# Altium PCB DCDCv1.1.PcbDoc (part 4 of 5)
Units mm, origin at the board's own origin, x right, y up, seen from the top; angles counter-clockwise.
Board outline 127.68 x 67.28 mm, 4 copper layers (Top Layer, GND1, GND2, Bottom Layer), stack 0.604 mm thick; 389 components, 257 nets, 1185 pads, 626 vias.
Unrouted connection lines stored in the file: 1.
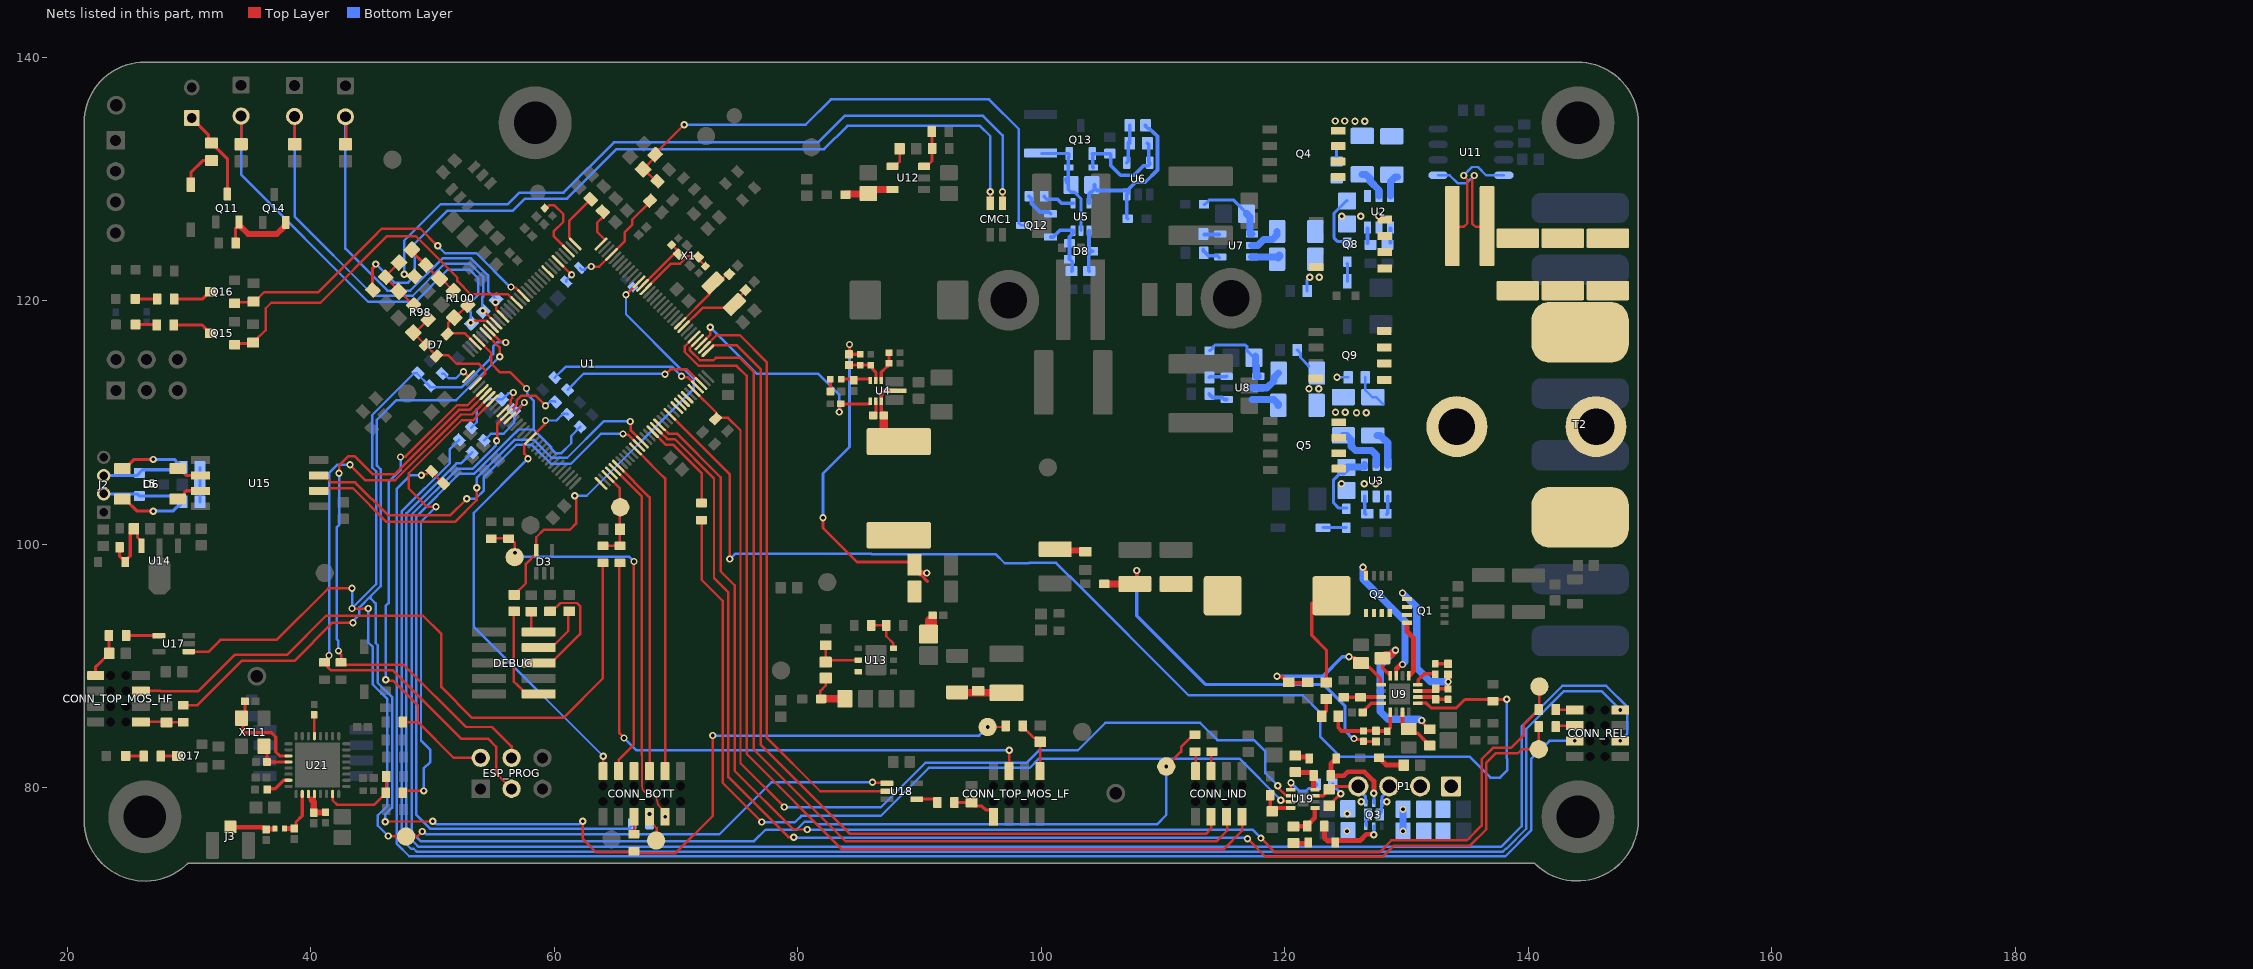
[diagram p6: the nets of this part, all layers, seen from the top]

## Via types
v1: diameter 0.6, hole 0.3, Top Layer to Bottom Layer, tented both sides, 563 vias
v2: diameter 0.6/0.6/0.6/0.6 (per signal layer), hole 0.3, Top Layer to Bottom Layer, tented both sides, 44 vias
v3: diameter 0.6, hole 0.3, Top Layer to Bottom Layer, 19 vias

## Nets (pads, with @x,y where several pads share a name; then routed paths per layer and width w, separated by ;. In a path a pad name is that pad's centre, name@x,y a point inside that pad or via, vN(x,y) a via of type N, cw(c..) or ccw(c..) an arc to the next point about the centre after c; other vN are vias at no path point) (continued)
NetC4_1: C4.1 C6.1 C7.1 R45.2 U11.1 | length 8.9
  Top Layer w0.203: v1(135.575,130.3) 135.575,130.193 135.4,130.018 135.4,126.375 135.7,126.075 136.55,126.075 R45.2@136.625,126.15
  Bottom Layer w0.203: U11.1@132.6,130.32 133.555,130.32 134.2,129.675 134.95,129.675 v1(135.575,130.3)
NetC4_2: C4.2 C6.2 C7.2 T2.3
NetC8_2: C8.2 C15.2 C34.2 C129.2 FB6.1 L3.2 R48.2 | length 30.4
  Top Layer w0.254: v1(82.075,102.2) 82.075,101.35 84.875,98.55 89.127,98.55 89.551,98.126 89.551,98.074 89.999,97.626 89.999,97.526 90.023,97.502 90.123,97.502 90.65,96.975 ; C34.2@84.219,115.619 R48.2@85.134,115.619 ; C34.2@84.25,115.767 84.249,115.768 84.249,116.424 v1(84.25,116.425) ; C15.2@89.575,98.098 C15.2@89.575,98.275 ; C15.2@89.653,98.227 90.104,97.776 90.25,97.776 ; 90.25,97.65 v1(90.6,97.65)
  Top Layer w1: FB6.1@90.947,92.6 90.947,93.712
  Bottom Layer w0.254: v1(82.075,102.2) 82.075,105.825 84.25,108 v1(84.25,116.425)
NetC12_1: C12.1 C13.1 C42.2 C46.1 C64.1 FB9.1 Q3.6 Q3.7 | length 5.4
  Top Layer w0.4: FB9.1@127.75,82.475 127.825,82.475 127.975,82.325 127.975,82.25 128.339,81.886 C42.2@129.689,81.886 ; C42.2@129.7,81.85 C42.2@129.925,81.625
  Bottom Layer w0.254: Q3.6@126.675,76.93 126.698,76.953 126.698,77.738 Q3.7@126.835,77.875
  Bottom Layer w0.6: v1(129.725,76.45) v1(129.725,78.25)
  other v1: 125.125,76.45 125.15,77.875
NetC14_1: C14.1 R5.1 R6.1 R65.2 U9.13 | length 6.6
  Top Layer w0.3: R6.1@124.4,85.875 124.4,84.95 124.675,84.675 R5.1@126.475,84.675 ; R5.1@126.6,84.683 127.493,84.683 C14.1@127.5,84.69 127.515,84.675 128.431,84.675 128.431,84.656 R65.2@128.425,84.65 128.425,84.675 128.681,84.931 U9.13@128.681,86.209
NetC14_2: C14.2 C55.2 C56.2 FB2.1 L2.2 R5.2 | length 32.5
  Top Layer w0.254: C55.2@107.7,96.75 107.85,96.9 v1(107.85,97.85) ; v1(125.7,84.047) 125.766,83.981 126.327,83.981 126.475,83.833 R5.2@126.475,83.825 126.483,83.817 127.492,83.817 C14.2@127.5,83.81
  Top Layer w0.6: FB2.1@105.175,96.75 C55.2@107.7,96.75
  Bottom Layer w0.254: v1(107.85,97.85) 107.85,94.14 113.49,88.5 123.175,88.5 124.969,86.706 124.969,84.684 125.606,84.047 v1(125.7,84.047)
NetC16_2: C16.2 R50.2 U4.4 | length 2.4
  Top Layer w0.254: R50.2@83.584,113.569 85.859,113.569 U4.4@85.959,113.469
NetC17_2: C17.2 R50.1 | length 1
  Top Layer w0.254: R50.1@82.684,113.569 82.689,113.564 82.689,112.574 C17.2@82.694,112.569
NetC18_1: C18.1 C97.1 R54.2 | length 3.9
  Top Layer w0.6: C97.1@93.1,87.85 93.125,87.825 96.975,87.825 C18.1@97,87.8
NetC21_1: C21.1 Q4.1 Q4.2 Q4.3 Q8.5 Q8.6 Q8.7 Q8.8 R11.1 R45.1 U2.2 U11.8 | length 9.9
  Top Layer w0.203: R45.1@133.775,126.15 133.85,126.075 134.7,126.075 135,126.375 135,129.983 134.7,130.283 v1(134.7,130.3)
  Bottom Layer w0.203: R11.1@124.275,130.05 124.375,130.05 R11.1@124.715,130.39 ; v1(134.7,130.3) 135.4,131 135.875,131 136.555,130.32 U11.8@138,130.32
  other v1: 124.7,126.95 126.25,126.95 127.725,126.975 125.775,134.75 126.575,134.75
NetC21_2: C21.2 FB16.1 U2.4 | length 4.9
  Bottom Layer w0.254: FB16.1@125.125,124.575 125.125,124.694 124.927,124.892 124.333,124.892 124.07,125.155 124.07,127.22 125.075,128.225 C21.2@125.125,128.225
NetC22_1: C22.1 L1.1 Q5.1 Q5.2 Q5.3 Q9.5 Q9.6 Q9.7 Q9.8 R12.1 U3.2 | length 0.9
  Bottom Layer w0.2: v1(124.3,113.725) R12.1@125.225,113.725
  other v1: 124.675,104.975 126.541,104.972 127.491,104.972 125.9,110.825 126.7,110.825
NetC22_2: C22.2 FB17.1 U3.4 | length 6.3
  Bottom Layer w0.254: C22.2@124.816,106.022 124.722,106.022 124.02,105.32 124.02,103.405 124.45,102.975 FB17.1@125.1,102.975
  Bottom Layer w0.6: C22.2@125.003,106.21 125.153,106.36 126.566,106.36 U3.4@126.566,106.547
  Bottom Layer w0.7: C22.2@124.816,106.022 C22.2@125.003,106.21
NetC23_2: C23.2 FB18.1 U7.4 | length 6.1
  Bottom Layer w0.254: FB18.1@113.375,127.925 113.45,127.925 113.673,128.148 113.673,128.151 113.822,128.3 115.775,128.3 116.875,127.2 C23.2@116.875,127.15
  Bottom Layer w0.6: C23.2@116.875,127.15 117.15,126.875 117.15,125.5 U7.4@117.308,125.5
NetC24_2: C24.2 FB19.1 U8.4 | length 7
  Bottom Layer w0.254: FB19.1@113.825,115.925 113.9,115.925 114.123,116.148 114.123,116.223 114.281,116.381 116.766,116.381 116.915,116.232 116.915,115.899 C24.2@117.488,115.326
  Bottom Layer w0.6: C24.2@117.613,114.651 C24.2@117.613,115.476 ; U8.4@117.663,113.951 117.663,114.626 117.663,113.801 U8.4@117.838,113.801
NetC26_1: C26.1 L3.1 U4.7 U4.9 | length 7.3
  Top Layer w0.3: 86.862,112.195 86.862,112.259 ; 86.863,112.075 86.863,112.194 ; C26.1@86.87,110.798 86.87,111.05 86.87,111.45
  Top Layer w0.39: 86.862,112.259 86.862,112.413 87.068,112.619 U4.9@88.073,112.619
  Top Layer w0.7: C26.1@87.074,110.594 87.075,110.15 87.075,109.2 L3.1@87.825,108.45 ; L3.1@87.1,109.175 L3.1@87.825,108.45 ; L3.1@88.325,108.45 L3.1@87.825,108.45 ; L3.1@88.875,108.45 L3.1@87.825,108.45
NetC26_2: C26.2 U4.6 | length 1.3
  Top Layer w0.254: C26.2@86.194,110.594 86.214,110.594 86.415,110.795 U4.6@86.415,111.769
NetC27_1: C27.1 FB1.2 R27.2 U5.5 U6.3 | length 14.6
  Bottom Layer w0.3: U5.5@103.925,128.025 103.925,128.774 104.101,128.95 104.15,128.95 104.375,129.175 104.375,129.525 104.375,129.3 104.6,129.075 U6.3@107.076,129.075 ; 107.025,127.975 107.025,127.775 ; FB1.2@107.1,126.75 107.025,126.825 107.025,127.775 ; R27.2@108.575,134.425 108.575,134.375 108.8,134.15 108.924,134.15 109.271,133.803 109.553,133.521 109.553,130.758 108.545,129.75 107.755,129.75 107.175,129.17 107.175,128.9 U6.3@107.025,128.75 107.025,128.05 107.038,128.037 107.038,127.788 107.025,127.775
NetC27_2: C27.2 C30.2 D9.1 Q13.2 U5.2 | length 9.8
  Bottom Layer w0.254: C30.2@100.03,132.1 Q13.2@102.3,132.1 102.3,132.025 102.3,131.875 102.225,131.8 102.225,130.95 C27.2@102.225,129.525 ; C27.2@102.025,130.075 102.016,130.009 102.025,129.796 C27.2@102.225,129.525 ; U5.2@103.275,125.775 103.275,128.402 102.75,128.927 102.473,128.927 102.225,129.175 C27.2@102.225,129.525
NetC28_2: C28.2 Q12.3 R30.2 R43.2 | length 44.1
  Top Layer w0.203: R43.2@68.48,129.836 68.339,129.836 67.367,130.808 C28.2@67.296,130.808 68.286,131.798 R30.2@68.286,132.01 68.286,132.086 v1(70.675,134.475)
  Bottom Layer w0.203: v1@70.68,134.475 80.65,134.475 82.725,136.55 95.725,136.55 98.175,134.1 98.175,126.398 98.373,126.2 Q12.3@98.475,126.2
NetC34_1: C34.1 R18.2 R48.1 U4.3 | length 3.2
  Top Layer w0.254: C34.1@84.209,114.729 84.214,114.724 85.134,114.724 86.004,114.724 86.157,114.571 86.157,114.391 86.415,114.133 U4.3@86.415,113.469
NetC39_2: C39.2 R60.2 U9.8 | length 13.3
  Top Layer w0.254: v1(131.251,85.53) 131.318,85.464 131.318,85.357 131.85,84.825 R60.2@131.925,84.825
  Top Layer w0.3: C39.2@127.981,90.684 128.056,90.609 128.056,89.834 128.356,89.534 128.381,89.534 U9.8@128.606,89.309
  Top Layer w0.6: C39.2@127.981,90.684 128.256,90.959 128.761,90.959 v1(129.106,91.304)
  Bottom Layer w0.6: v1(129.106,91.304) 129.076,91.304 127.85,90.078 127.85,86.265 128.49,85.625 131.075,85.625 131.17,85.53 v1(131.251,85.53)
NetC40_2: C40.2 R60.1 U9.15 | length 4.1
  Top Layer w0.3: U9.15@129.681,86.209 129.681,85.184 130.131,84.734 C40.2@130.231,84.734 ; C40.2@130.2,84.825 130.55,84.475 130.925,84.475 131.6,83.8 131.6,83.725 131.85,83.475 R60.1@131.925,83.475
NetC41_1: C41.1 C43.1 C57.2 L2.1 Q1.1 Q1.2 Q1.3 Q2.5 Q2.6 Q2.7 Q2.8 R64.1 U9.3 | length 20.5
  Top Layer w0.254: 122.225,95.18 122.225,92.525 123.431,91.319 123.431,88.656 C57.2@123.425,88.65
  Top Layer w0.3: U9.3@130.931,87.959 132.236,87.959 132.406,88.129 C43.1@132.406,88.149 ; C43.1@132.391,88.134 R64.1@133.416,88.134 ; R64.1@133.425,88.125 C41.1@133.425,89.31
  Bottom Layer w0.6: v1(129.681,96.009) 130.85,94.84 130.85,89.85 131.975,88.725 v1(133.425,88.725)
NetC41_2: C41.2 R62.1 | length 1.6
  Top Layer w0.2: C41.2@133.419,90.184 133.219,90.384 133.231,90.384 C41.2@133.425,90.19
  Top Layer w0.3: R62.1@132.381,90.184 C41.2@133.419,90.184
NetC43_2: C43.2 R64.2 U9.2 | length 2.7
  Top Layer w0.3: U9.2@130.931,87.459 132.236,87.459 132.406,87.289 C43.2@132.406,87.269 ; C43.2@132.419,87.447 132.419,87.429 132.576,87.272 133.422,87.272 R64.2@133.425,87.275
NetC46_2: C46.2 C64.2 C86.1 C96.1 P1.1 P1.2
NetC50_2: C50.2 FB3.1 U12.5 | length 4
  Top Layer w0.6: FB3.1@83.925,128.725 83.975,128.775 85.75,128.775 C50.2@85.8,128.825 86.125,129.15 U12.5@87.775,129.15
NetC53_2: C53.2 CONN_TOP_MOS_HF.7 R32.2 | length 3.8
  Top Layer w0.254: CONN_TOP_MOS_HF.7@22.305,89.23 22.305,89.905 22.704,90.304 23.102,90.702 23.152,90.702 23.45,91 C53.2@23.45,91.05 23.425,91.075 R32.2@23.425,92.5
NetC54_2: C54.2 CONN_TOP_MOS_LF.7 R33.2 | length 3.9
  Top Layer w0.254: R33.2@92.875,78.8 C54.2@94.275,78.8 94.573,78.502 95.131,78.502 95.443,78.19 95.852,78.19 96.095,77.947 CONN_TOP_MOS_LF.7@96.095,77.63
NetC57_1: C57.1 R6.2 | length 1.6
  Top Layer w0.3: R6.2@123.05,85.875 123.05,85.95 123.431,86.331 123.431,87.294 C57.1@123.425,87.3
NetC58_2: C58.2 U9.12 | length 1.9
  Top Layer w0.3: C58.2@126.415,86.2 126.435,86.2 126.605,86.37 126.605,86.448 126.611,86.454 126.611,86.464 127.106,86.959 U9.12@127.931,86.959
NetC59_2: C59.2 U1.19 X1.1 | length 6.2
  Top Layer w0.178: 70.363,123.07 70.967,123.674
  Top Layer w0.203: U1.19@67.664,121.135 69.599,123.07 70.363,123.07 ; 70.967,123.674 71.455,123.674 71.474,123.654 71.511,123.654 71.564,123.707 C59.2@72.42,122.852
NetC60_2: C60.2 R10.1 R66.1 U9.9 | length 13.4
  Top Layer w0.3: v1(119.375,89.175) 119.432,89.118 119.786,89.118 120.283,88.621 120.348,88.621 120.359,88.61 121.875,88.61 R66.1@121.884,88.619 ; v1(125.281,90.759) 125.338,90.702 125.713,90.702 126.156,90.259 C60.2@126.456,90.259 ; C60.2@126.306,90.259 126.656,89.909 126.939,89.909 127.848,89.001 127.848,88.459 U9.9@127.904,88.459
  Bottom Layer w0.3: v1(119.375,89.175) 123.15,89.175 124.734,90.759 v1(125.281,90.759)
NetC63_2: C63.2 U1.20 X1.3 | length 5.1
  Top Layer w0.203: U1.20@67.243,121.28 69.83,123.867 70.182,123.867 X1.3@70.217,123.831 ; C63.2@69.641,124.598 69.653,124.611 70.192,124.072 X1.3@70.192,123.856
NetC70_2: C70.2 U12.4 | length 1.8
  Top Layer w0.203: U12.4@87.775,131.05 87.975,131.05 88.375,131.45 C70.2@88.375,132.5
NetC72_2: C72.2 FB4.1 R73.2 U13.3 | length 3.9
  Top Layer w0.203: FB4.1@81.862,87.3 81.862,87.962 82.289,88.389 82.289,89.014 R73.2@82.3,89.025
  Top Layer w0.6: FB4.1@81.925,87.3 81.938,87.312 83.863,87.312 C72.2@83.875,87.325
NetC74_2: C74.2 U1.8 Y1.1 | length 6.9
  Top Layer w0.2: U1.8@70.637,117.885 72.177,119.425 73.952,119.425 74.243,119.716 Y1.1@74.809,119.716 ; Y1.1@74.296,119.636 74.523,119.636 75.729,120.841 C74.2@75.729,120.879
NetC75_1: C75.1 Q11.3 R58.1 | length 7.4
  Top Layer w0.254: C75.1@30.225,135.025 31.593,133.657 31.593,133.232 R58.1@31.85,132.975 ; R58.1@31.925,132.975 32.248,132.652 32.248,132.577 33.15,131.675 Q11.3@33.15,128.775
NetC77_2: C77.2 U1.9 Y1.2 | length 6.1
  Top Layer w0.203: U1.9@70.354,118.168 72.707,120.521 72.707,120.586 72.811,120.691 72.811,121.686 73.024,121.686 73.162,121.825 73.8,121.825 C77.2@74.15,122.175
NetC79_2: C79.2 D10.1 FB5.2 U14.3 | length 6.1
  Top Layer w0.254: FB5.2@24.293,99.771 24.3,99.764 24.3,99.015 24.481,98.834 24.57,98.834 D10.1@24.758,98.646 ; C79.2@25.468,101.296 25.17,100.998 25.17,99.058 D10.1@24.758,98.646 ; C79.2@25.475,101.25 25.766,100.959 25.766,100.56 26.08,100.246 U14.3@26.08,99.896 ; D10.1@24.758,98.646 D10.1@24.758,98.546 D10.1@24.758,98.646
NetC89_2: C89.2 R110.1 U1.75 | length 7.1
  Top Layer w0.203: U1.75@55.788,110.956 56.425,111.593 56.425,111.883 56.549,112.007 56.549,112.399 v1(56.625,112.475)
  Bottom Layer w0.203: R110.1@53.195,109.595 53.633,110.033 53.633,111.097 54.464,111.927 55.149,111.927 55.185,111.963 55.22,111.927 C89.2@55.677,111.927 ; C89.2@55.748,111.927 56.229,112.408 56.558,112.408 v1(56.625,112.475)
NetC91_1: C91.1 R84.1 R86.2 | length 2.8
  Bottom Layer w0.254: R86.2@30.893,103.496 30.9,103.504 30.9,104.889 C91.1@30.893,104.896 30.9,104.904 30.9,106.314 R84.1@30.893,106.321
NetC93_2: C93.2 CONN_TOP_MOS_HF.2 R34.2 | length 3.5
  Top Layer w0.203: CONN_TOP_MOS_HF.2@26.045,85.42 28.105,85.42 C93.2@28.15,85.375 28.175,85.4 R34.2@29.525,85.4
NetC94_2: C94.2 CONN_TOP_MOS_LF.2 R35.2 | length 4.4
  Top Layer w0.203: R35.2@98.5,85.1 98.5,85 99.402,84.098 99.602,84.098 C94.2@99.925,83.775 99.925,81.39 CONN_TOP_MOS_LF.2@99.905,81.37
NetC95_2: C95.2 R36.1 R37.1 TP21.1 U1.99 | length 7.5
  Top Layer w0.203: R36.1@64,99.875 R37.1@65.4,99.875 65.4,104.589 64.415,105.575 U1.99@64.415,105.582
NetC99_1: C99.1 R99.1 R100.1 R101.2 | length 4.9
  Top Layer w0.2: R99.1@49.46,122.935 50.467,121.927 50.467,121.828 R101.2@50.573,121.828 50.714,121.828 R100.1@51.704,120.838
  Top Layer w0.254: C99.1@48.235,124.135 49.435,122.935 R99.1@49.46,122.935
NetC99_2: C99.2 R56.2 R97.1 R98.1 | length 5.1
  Top Layer w0.2: C99.2@47.315,123.215 47.315,123.056 47.173,123.056 46.155,122.038 46.155,121.938 47.22,120.873 R56.2@47.22,120.795 47.302,120.795 48.42,119.676 R98.1@48.449,119.676
NetC102_2: C102.2 FB8.2 U19.4 | length 2.7
  Top Layer w0.254: FB8.2@118.8,79.4 118.873,79.302 118.89,79.278 118.817,79.278 118.817,78.233 C102.2@118.975,78.075
  Top Layer w0.3: C102.2@119.3,78.35 U19.4@120.5,78.35
NetC106_1: C106.1 P1.3 P1.4 Q3.1 Q3.3 Q3.8 U19.7 | length 8.6
  Top Layer w0.254: U19.7@122.5,79.35 123.175,79.35 123.95,80.125 P1.4@126.05,80.125
  Bottom Layer w0.254: P1.4@126.05,80.125 126.095,80.08 126.675,80.08 126.384,79.789 126.384,79.547 126.652,79.278 126.652,78.843 Q3.1@126.675,78.82 ; Q3.8@127.815,77.875 127.952,78.012 127.952,78.797 127.975,78.82 127.998,78.843 127.998,79.278 128.72,80.001 P1.3@128.72,80.08
  other v1: 126.3,78.85 128.375,78.85
NetC106_2: C106.2 R96.1 | length 2.5
  Top Layer w0.254: C106.2@123.65,78.525 123.7,78.525 123.998,78.823 123.998,78.915 v1(124.603,79.52)
  Bottom Layer w0.254: R96.1@123.95,80.3 123.95,80.225 124.603,79.572 v1(124.603,79.52)
NetC115_2: C115.2 L7.1 U21.2 | length 3.9
  Top Layer w0.254: L7.1@37.85,76.65 L7.1@37.857,76.657 ; C115.2@38.642,76.657 38.793,76.808 38.793,77.193 39.3,77.7 U21.2@39.3,79.5
  Top Layer w0.381: L7.1@37.857,76.657 C115.2@38.642,76.657
NetC116_2: C116.2 J3.1 L7.2 | length 3.8
  Top Layer w0.254: C116.2@36.325,76.59 C116.2@36.355,76.62 ; L7.2@37.02,76.62 L7.2@37.05,76.65
  Top Layer w0.381: J3.1@33.4,76.8 33.443,76.757 35.971,76.757 35.998,76.729 36.206,76.729 36.325,76.61 C116.2@36.325,76.59 ; C116.2@36.355,76.62 L7.2@37.02,76.62
NetC117_2: C117.2 FB7.2 U21.3 U21.4 | length 3.2
  Top Layer w0.254: U21.3@39.8,79.5 39.8,79.284 40.049,79.035 ; 40.298,79.035 40.298,79.498 U21.4@40.3,79.5
  Top Layer w0.508: 40.049,79.035 40.25,78.834 C117.2@40.25,77.965 40.311,77.965 40.316,77.97 41.193,77.97 FB7.2@41.225,78.004 FB7.2@41.225,78.004
NetC118_1: C118.1 U21.28 XTL1.1 | length 3.2
  Top Layer w0.254: XTL1.1@36.15,83.425 36.39,83.185 C118.1@36.39,82.125 U21.28@38.175,82.125
NetC119_1: C119.1 U21.27 XTL1.3 | length 7.9
  Top Layer w0.254: XTL1.3@34.3,85.725 34.425,85.6 34.425,84.694 34.594,84.525 36.775,84.525 37.125,84.175 37.125,82.949 37.449,82.625 U21.27@38.175,82.625 ; XTL1.3@34.425,85.694 34.585,85.854 C119.1@34.585,87.1
NetC124_1: C124.1 R104.2 | length 2.6
  Top Layer w0.5: C124.1@101.15,99.6 101.25,99.5 103.525,99.5 R104.2@103.625,99.4
NetC130_2: C130.2 R112.1 U1.77 | length 7.1
  Top Layer w0.203: U1.77@56.354,110.39 56.354,110.397 57.55,111.593 v1(57.55,111.65)
  Bottom Layer w0.203: R112.1@54.245,108.545 54.792,109.092 55.834,109.092 56.713,109.971 56.713,110.967 C130.2@56.677,111.002 ; C130.2@56.677,111.137 C130.2@56.677,111.002 ; v1(57.55,111.65) 56.902,111.002 C130.2@56.677,111.002
NetCMC1_2: CMC1.2 R97.2 | length 66.1
  Top Layer w0.203: CMC1.2@95.825,128.025 v1(95.825,128.975)
  Top Layer w0.254: R97.2@45.08,120.909 45.059,120.93 45.059,122.641 45.35,122.931 v1(45.35,123.025)
  Bottom Layer w0.203: v1(45.35,123.025) 46.875,121.5 48,121.5 48.525,122.025 48.525,124.7 51.238,127.413 56.613,127.413 57.6,128.4 61.05,128.4 65.125,132.475 82.175,132.475 84.075,134.375 94.975,134.375 95.825,133.525 v1(95.825,128.975)
NetCMC1_3: CMC1.3 R99.2 | length 63.3
  Top Layer w0.203: v1(47.679,122.196) 47.755,122.12 47.943,122.12 48.048,122.015 R99.2@48.54,122.015 ; CMC1.3@96.825,128.025 v1(96.825,128.975)
  Bottom Layer w0.203: v1(47.679,122.196) 47.679,124.954 50.675,127.95 56.2,127.95 57.15,128.9 60.775,128.9 64.9,133.025 81.675,133.025 83.85,135.2 95.225,135.2 96.825,133.6 v1(96.825,128.975)
NetCONN_BOTT_3: CONN_BOTT.3 U1.101 | length 30.3
  Top Layer w0.152: 67.2,82.725 67.216,80.131 ccw(c67.84,80.135) 67.724,79.522 67.956,79.478 cw(c67.84,78.865) 68.453,78.981 68.497,78.749 ccw(c69.11,78.865) 68.69,78.403 68.816,78.289 v1(69.11,77.63)
  Top Layer w0.203: U1.101@64.98,106.147 67.2,103.928 67.2,82.725
NetCONN_BOTT_4: CONN_BOTT.4 U1.107 | length 27.2
  Top Layer w0.203: U1.107@66.9,107.625 66.9,107.622 68.002,106.52 68.002,106.504 68.908,105.598 68.927,105.598 69.11,105.415 CONN_BOTT.4@69.11,81.37
NetCONN_BOTT_5: CONN_BOTT.5 R70.1 TP28.1 | length 3
  Top Layer w0.203: CONN_BOTT.5@67.835,77.63 68.061,77.404 68.061,77.039 68.42,76.68 68.42,75.72 TP28.1@68.375,75.675
  Bottom Layer w0.203: R70.1@67.825,77.05 v1(67.825,77.85)
NetCONN_BOTT_6: CONN_BOTT.6 U1.102 | length 26.1
  Top Layer w0.203: U1.102@65.263,106.43 67.84,103.853 CONN_BOTT.6@67.84,81.37
NetCONN_BOTT_7: CONN_BOTT.7 R69.1 | length 1.5
  Top Layer w0.203: R69.1@66.523,76.227 R69.1@66.55,76.2 66.565,76.215 CONN_BOTT.7@66.565,77.63
NetCONN_BOTT_8: CONN_BOTT.8
NetCONN_BOTT_10: CONN_BOTT.10 R83.2 R95.2 TP22.1 | length 30.4
  Top Layer w0.203: R83.2@55.1,100.5 56.3,100.5 56.573,100.227 56.656,100.227 56.775,100.108 v1(56.775,99.325) ; CONN_BOTT.10@65.295,81.37 65.295,82.295 66.55,83.55 v1(66.55,98.6)
  Bottom Layer w0.203: v1(56.775,99.325) 57.1,99 66.15,99 v1(66.55,98.6)
NetCONN_BOTT_12: CONN_BOTT.12 R127.1 U1.83 | length 38
  Top Layer w0.203: v1(57.846,107.045) 57.846,107.153 57.551,107.448 57.551,108.187 58.051,108.686 U1.83@58.051,108.693 59.204,109.846 59.204,110.1 v1(59.28,110.176) ; CONN_BOTT.12@64.025,81.37 v1(64.025,82.6)
  Bottom Layer w0.203: v1(57.846,107.045) 53.4,102.599 53.4,93.225 v1(64.025,82.6) ; v1(59.28,110.176) 60.182,110.176 60.331,110.325 60.72,110.714 R127.1@61.071,110.714 ; R127.1@61.034,110.751 R127.1@61.071,110.714 ; R127.1@61.105,110.68 R127.1@61.071,110.714
NetCONN_IND_1: CONN_IND.1 U1.5 | length 84.3
  Top Layer w0.203: U1.5@71.486,117.037 71.486,117.03 70.725,116.269 70.725,115.819 71.875,114.669 74.981,114.669 75.8,113.85 75.8,82.8 83.65,74.95 114.975,74.95 116.5,76.475 CONN_IND.1@116.5,77.718
NetCONN_IND_3: CONN_IND.3 U1.4 | length 81.9
  Top Layer w0.203: U1.4@71.768,116.754 71.768,116.747 71.15,116.129 71.15,115.933 71.96,115.123 73.073,115.123 73.275,115.325 75.25,115.325 76.375,114.2 76.375,83.175 83.95,75.6 114.4,75.6 115.275,76.475 CONN_IND.3@115.275,77.735
NetCONN_IND_5: CONN_IND.5 U1.1 | length 77.4
  Top Layer w0.203: U1.1@72.617,115.906 72.624,115.906 73.068,116.35 75,116.35 76.95,114.4 76.95,83.575 84.3,76.225 113.55,76.225 113.965,76.64 CONN_IND.5@113.965,77.63
NetCONN_IND_6: CONN_IND.6 R117.1 | length 1.6
  Top Layer w0.203: CONN_IND.6@113.965,81.37 113.965,82.915 R117.1@114.025,82.975
NetCONN_IND_8: CONN_IND.8 R116.1 | length 1.6
  Top Layer w0.203: R116.1@112.625,82.975 112.695,82.905 CONN_IND.8@112.695,81.37
NetCONN_REL_3: CONN_REL.3 R107.1 R108.1 | length 138.6
  Top Layer w0.203: v1(49.09,105.685) 49.166,105.761 49.493,105.761 49.658,105.926 R107.1@49.93,105.926 ; R107.1@49.93,106.005 R107.1@49.93,105.926 ; R107.1@50.009,105.888 50.843,105.055 50.855,105.055 R108.1@50.905,105.005 ; R107.1@50.047,105.926 R107.1@49.93,105.926
  Bottom Layer w0.203: v1(49.09,105.685) 48.185,105.685 47.075,104.575 47.075,75.4 48.093,74.382 138.132,74.382 140.25,76.5 140.25,82.375 141.74,83.865 v1(143.83,83.865)
NetCONN_REL_4: CONN_REL.4 R112.2 | length 148.6
  Bottom Layer w0.203: R112.2@53.255,107.555 52.356,106.656 51.959,106.656 47.85,102.547 47.85,76.15 48.75,75.25 48.856,75.144 137.769,75.144 139.469,76.844 139.469,85.044 142.8,88.375 146.419,88.375 148.154,86.64 148.154,84.454 v1(147.575,83.875)
NetCONN_REL_5: CONN_REL.5 R126.2 | length 1.8
  Top Layer w0.203: R126.2@142.275,85.025 142.275,85.122 CONN_REL.5@143.817,85.122 ; CONN_REL.5@143.83,85.135 CONN_REL.5@143.817,85.122 ; CONN_REL.5@143.995,85.15 143.845,85.15 CONN_REL.5@143.817,85.122
NetCONN_REL_7: CONN_REL.7 R111.1 | length 1.6
  Top Layer w0.203: R111.1@142.275,86.425 143.81,86.425 CONN_REL.7@143.83,86.405
NetCONN_REL_8: CONN_REL.8 R110.2 | length 146.2
  Bottom Layer w0.203: R110.2@52.205,108.605 51.425,107.825 51.425,106.661 47.469,102.705 47.469,75.781 48.25,75 48.461,75 48.698,74.763 137.927,74.763 138.164,75 138.211,75 139.85,76.639 139.85,84.85 142.95,87.95 146.025,87.95 v1(147.575,86.4)
NetCONN_TOP_MOS_HF_6: CONN_TOP_MOS_HF.6 R36.2 | length 57.4
  Top Layer w0.203: CONN_TOP_MOS_HF.6@26.045,87.96 27.652,87.96 27.666,87.946 30.771,87.946 33.775,90.95 38.075,90.95 41.275,94.15 49.2,94.15 50.725,92.625 50.725,88.275 53.25,85.75 60.75,85.75 64,89 R36.2@64,98.475